# Altium PCB f44.PcbDoc
Units mm, origin at the board's own origin, x right, y up, seen from the top; angles counter-clockwise.
Board outline 53.85 x 64.64 mm, 2 copper layers (Top Layer, Bottom Layer); 94 components, 78 nets, 346 pads, 168 vias.
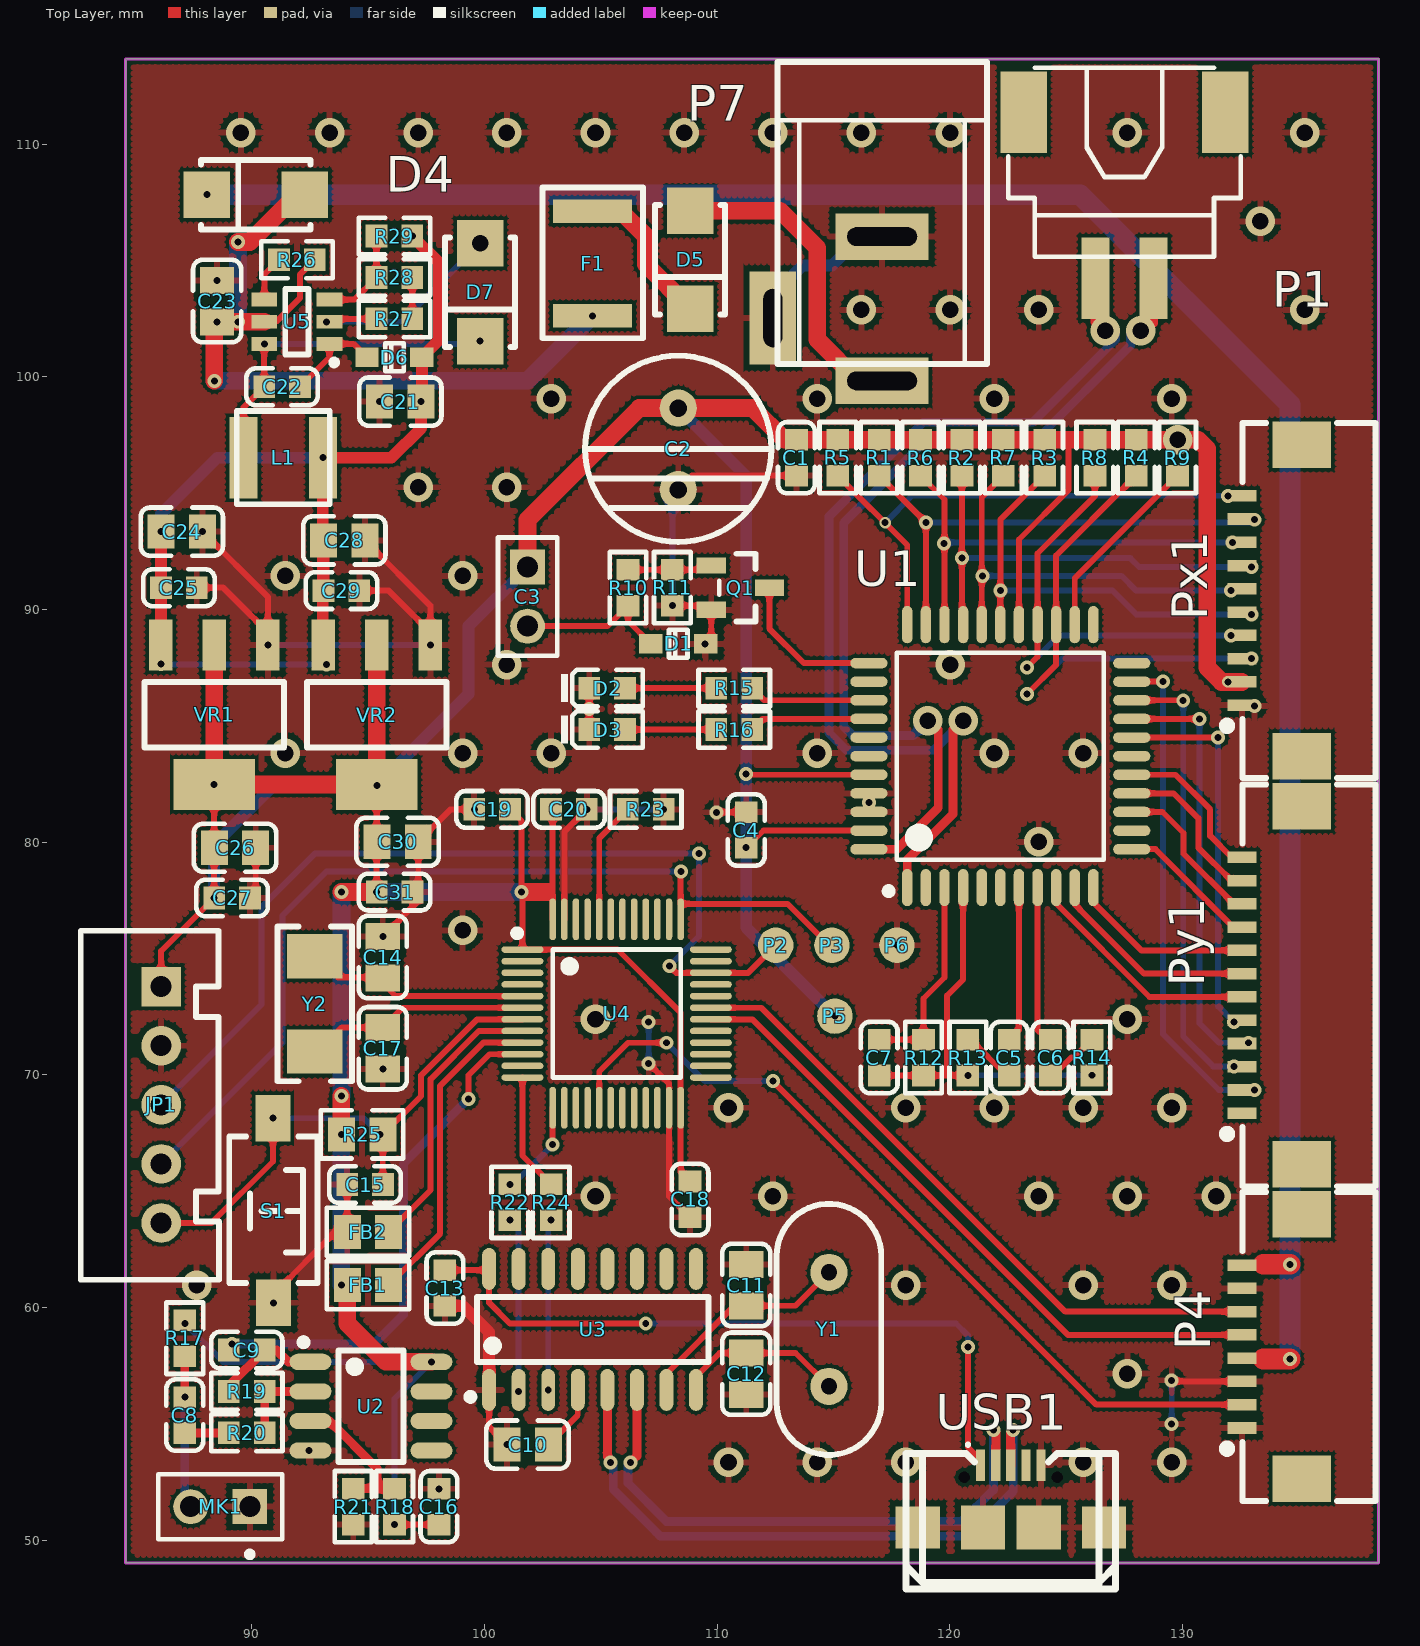
[diagram p0: Top Layer view]
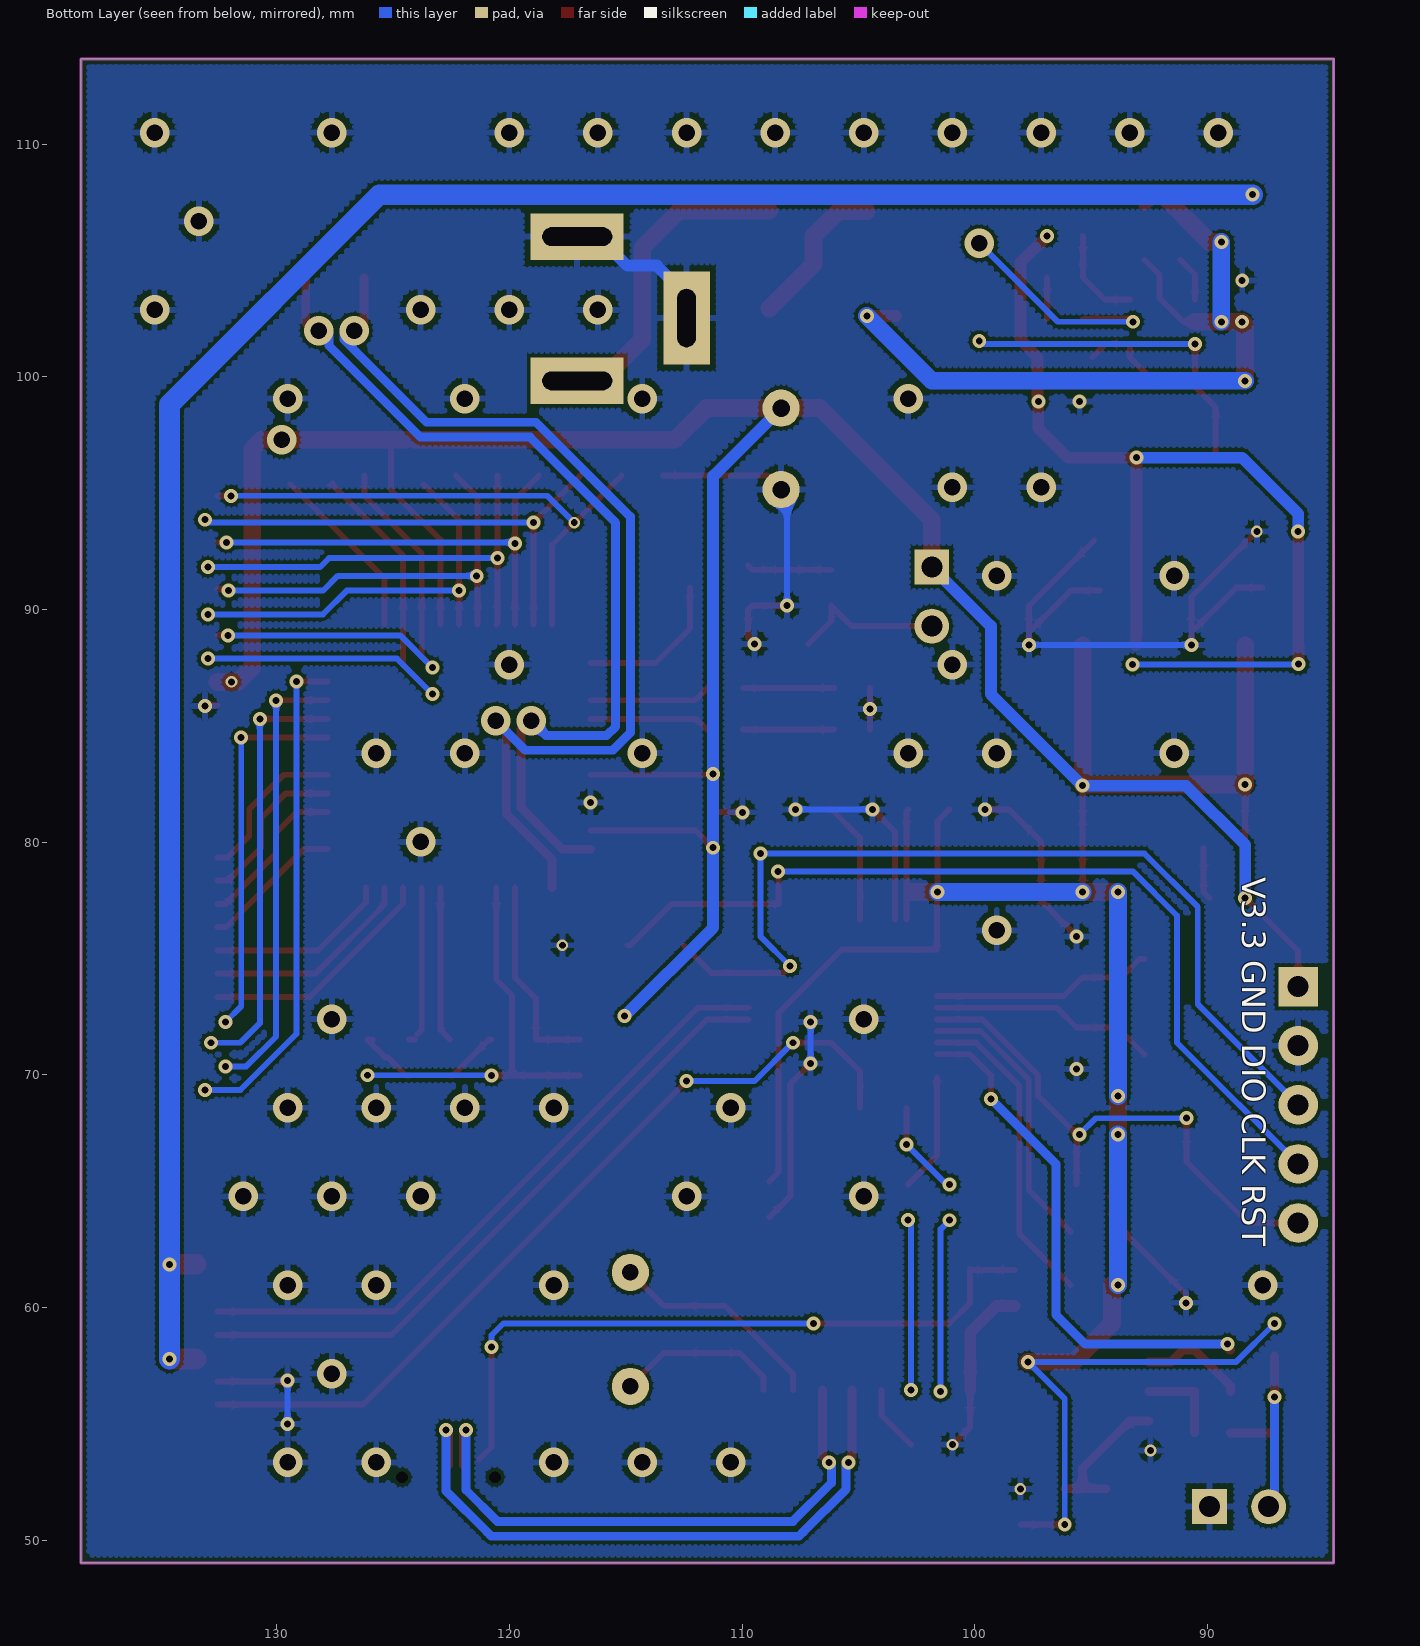
[diagram p1: Bottom Layer view, seen from below]
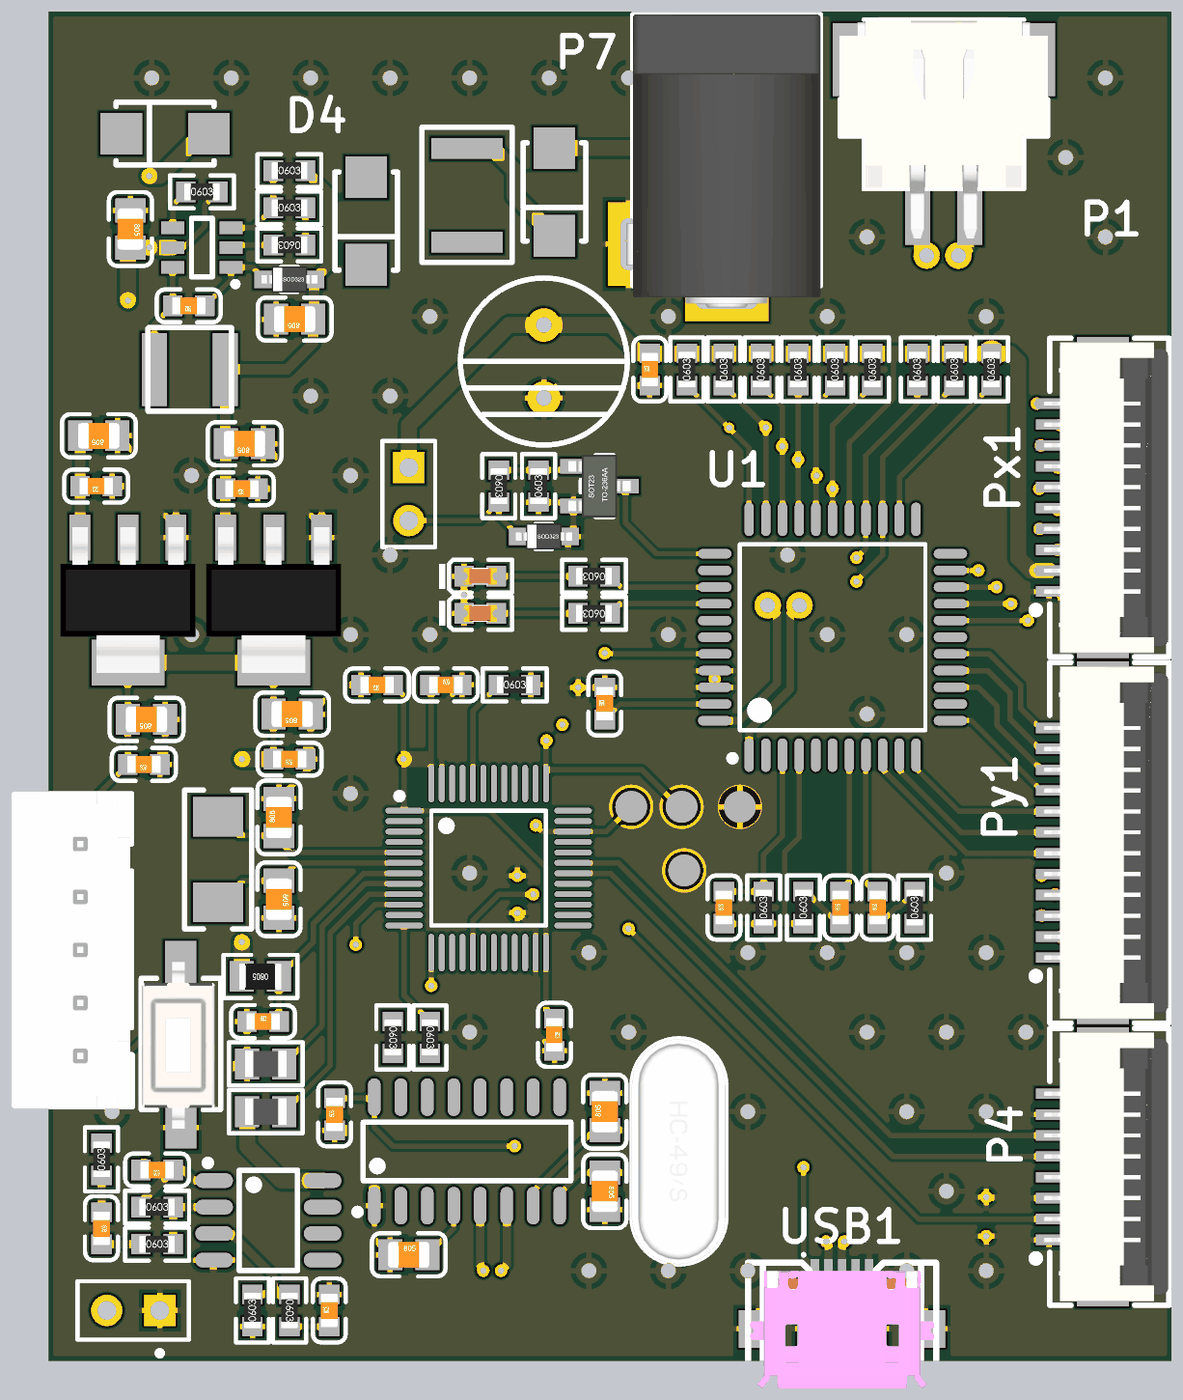
[diagram p2: 3D render of the assembled board from above, using the file's embedded part models]

## Layer stack, top to bottom
Top Solder: solder mask 0.0102, Solder Resist, Dk 3.5
Top Layer: signal copper 0.0356
Dielectric 1: dielectric 0.32, FR-4, Dk 4.8
Bottom Layer: signal copper 0.0356
Bottom Solder: solder mask 0.0102, Solder Resist, Dk 3.5

## Board outline
84.582,49.022 84.582,113.665 138.43,113.665 138.43,49.022

## Design rules (kind name [scope] priority, off if disabled: settings)
Clearance [All] p1: gap=0.152
DiffPairsRouting [All] p1: maxlimit=0.254 minlimit=0.254 mostfreqgap=0.254 toplayer_minwidth=0.381 toplayer_maxwidth=0.381 toplayer_prefwidth=0.381 bottomlayer_minwidth=0.381 bottomlayer_maxwidth=0.381 bottomlayer_prefwidth=0.381 maxuncoupledlength=12.7
PolygonConnect [All] p1: connectstyle=Relief reliefconductorwidth=0.254 reliefentries=4 polygonreliefangle="90 Angle" airgapwidth=0.254
RoutingVias [All] p1: holewidth=0.711 width=1.27 viastyle="Through Hole" minholewidth=0.3 minwidth=0.6 maxholewidth=0.711 maxwidth=1.27
SolderMaskExpansion [All] p1: expansion=0.102
Width [All] p1: maxlimit=1.27 minlimit=0.152 preferedwidth=0.254
29 further rules are at their usual default settings.

## Classes and differential pairs
component class F44: C1 C2 C3 C4 C5 C6 C7 D1 D2 D3 P1 Px1 Py1 Q1 R1 R2 R3 R4 R5 R6 R7 R8 R9 R10 R11 R12 R13 R14 R15 R16 U1
component class fft: C10 C11 C12 C13 C14 C15 C16 C17 C18 C19 C20 D4 FB1 FB2 JP1 P2 P3 P4 P5 P6 R22 R23 R24 R25 S1 U3 U4 USB1 Y1 Y2
component class power: C21 C22 C23 C24 C25 C26 C27 C28 C29 C30 C31 D5 D6 D7 F1 L1 P7 R26 R27 R28 R29 U5 VR1 VR2
component class voice: C8 C9 MK1 R17 R18 R19 R20 R21 U2
differential pair AMP: +AMP_P -AMP_N

## Components (designator, comment, footprint, x,y, rotation, side; value= is the part's Value field where it differs from the comment)
C1 "100nF (104) 10% 50V" 0603_C 113.411,96.52 r90 top
C2 "220uF" 8X12_CAP 108.331,96.901 r270 top
C3 "10uF" HDR1X2 101.854,91.821 r270 top
C4 "100nF (104) 10% 50V" 0603_C 111.252,80.518 r90 top
C5 "100nF (104) 10% 50V" 0603_C 122.555,70.739 r90 top
C6 "100nF (104) 10% 50V" 0603_C 124.333,70.739 r90 top
C7 "470pF (471) 10% 50V" 0603_C 116.967,70.739 r90 top
C8 "100nF (104) 10% 50V" 0603_C 87.122,55.372 r270 top
C9 "4.7uF (475) 10% 16V" 0603_C 89.789,58.166 r180 top
C10 "100pF (101) 5% 50V" 0805_C 101.854,54.102 r0 top
C11 "22pF (220) 5% 50V" 0805_C 111.252,60.96 r90 top
C12 "22pF (220) 5% 50V" 0805_C 111.252,57.15 r270 top
C13 "100nF (104) 10% 50V" 0603_C 98.298,60.833 r90 top
C14 "22pF (220) 5% 50V" 0805_C 95.631,75.057 r90 top
C15 "100nF (104) 10% 50V" 0603_C 94.869,65.278 r0 top
C16 "100nF (104) 10% 50V" 0603_C 98.044,51.435 r90 top
C17 "22pF (220) 5% 50V" 0805_C 95.631,71.138 r270 top
C18 "100nF (104) 10% 50V" 0603_C 108.839,64.643 r270 top
C19 "100nF (104) 10% 50V" 0603_C 100.33,81.407 r180 top
C20 "100nF (104) 10% 50V" 0603_C 103.632,81.407 r0 top
C21 "22uF (226) 20% 25V" 0805_C 96.385,98.933 r180 top
C22 "22nF (223) 10% 50V" 0603_C 91.305,99.568 r180 top
C23 "10uF (106) 10% 25V" 0805_C 88.511,103.251 r270 top
C24 "10uF (106) 10% 25V" 0805_C 86.995,93.345 r180 top
C25 "100nF (104) 10% 50V" 0603_C 86.868,90.932 r180 top
C26 "10uF (106) 10% 25V" 0805_C 89.281,79.756 r180 top
C27 "100nF (104) 10% 50V" 0603_C 89.154,77.597 r180 top
C28 "10uF (106) 10% 25V" 0805_C 93.98,92.964 r180 top
C29 "100nF (104) 10% 50V" 0603_C 93.853,90.805 r180 top
C30 "10uF (106) 10% 25V" 0805_C 96.266,80.01 r180 top
C31 "100nF (104) 10% 50V" 0603_C 96.139,77.851 r180 top
D1 "1N4148WS T4" SOD-323 108.331,88.519 r0 top
D2 "绿灯 0603" 0603_LED_S1 105.275,86.614 r0 top
D3 "蓝灯 0603" 0603_LED_S1 105.275,84.836 r0 top
D4 "M7" SMA(DO-214AC)_S1 90.17,107.823 r0 top
D5 "SS54" SMA(DO-214AC)_S1 108.839,105.029 r90 top
D6 "1N4148WS T4" SOD-323 96.131,100.838 r0 top
D7 "SS210" SMA(DO-214AC)_S1 99.814,103.632 r90 top
F1 "SMD1812P260_FUSE" SMD1812P260 104.648,107.116 r270 top
FB1 "100Ω ±25% 100MHz" 0805_L 94.996,60.96 r0 top
FB2 "100Ω ±25% 100MHz" 0805_L 94.996,63.246 r0 top
JP1 "HDR-1X5" XH2.54-LI-5P 86.106,68.707 r270 top
L1 "4.7uH ±10%" L_4030 89.354,94.52 r0 top
MK1 "Mic2" PIN2 89.916,51.435 r180 top
P1 "Header 2" XH2.54-WS-2P 127.508,109.22 r180 top
P2 "TP" TP 112.522,75.565 r0 top
P3 "TP" TP 114.935,75.565 r0 top
P4 "Header 8" FPC1.0-2H-WS-8P 135.128,58.318 r90 top
P5 "TP" TP 115.062,72.517 r0 top
P6 "TP" TP 117.729,75.565 r0 top
P7 "Header 3" DC-005 117.094,106.022 r90 top
Px1 "Header 10" FPC1.0-2H-WS-10P 135.128,90.383 r90 top
Py1 "Header 12" FPC1.0-2H-WS-12P 135.128,73.844 r90 top
Q1 "SS8050 Y1" SOT-23(SOT-23-3) 110.998,90.932 r180 top
R1 "47KΩ (4702) ±1%" 0603_R 116.967,96.52 r90 top
R2 "47KΩ (4702) ±1%" 0603_R 120.523,96.52 r90 top
R3 "47KΩ (4702) ±1%" 0603_R 124.079,96.52 r90 top
R4 "47KΩ (4702) ±1%" 0603_R 128.016,96.52 r90 top
R5 "47KΩ (4702) ±1%" 0603_R 115.189,96.52 r90 top
R6 "47KΩ (4702) ±1%" 0603_R 118.745,96.52 r90 top
R7 "47KΩ (4702) ±1%" 0603_R 122.301,96.52 r90 top
R8 "47KΩ (4702) ±1%" 0603_R 126.238,96.52 r90 top
R9 "270KΩ (2703) ±1%" 0603_R 129.794,96.52 r90 top
R10 "10KΩ (1002) ±1%" 0603_R 106.172,90.932 r270 top
R11 "100KΩ (1003) ±1%" 0603_R 108.077,90.932 r90 top
R12 "47KΩ (4702) ±1%" 0603_R 118.872,70.739 r90 top
R13 "10KΩ (1002) ±1%" 0603_R 120.777,70.739 r90 top
R14 "10KΩ (1002) ±1%" 0603_R 126.111,70.739 r90 top
R15 "220Ω (2200) ±1%" 0603_R 110.736,86.614 r180 top
R16 "220Ω (2200) ±1%" 0603_R 110.736,84.836 r180 top
R17 "10KΩ (1002) ±1%" 0603_R 87.122,58.674 r90 top
R18 "10KΩ (1002) ±1%" 0603_R 96.139,51.435 r270 top
R19 "49.9KΩ (4992) ±1%" 0603_R 89.789,56.388 r0 top
R20 "1KΩ (1001) ±1%" 0603_R 89.789,54.61 r0 top
R21 "10KΩ (1002) ±1%" 0603_R 94.361,51.435 r90 top
R22 "100Ω (1000) ±1%" 0603_R 101.092,64.516 r270 top
R23 "10KΩ (1002) ±1%" 0603_R 106.934,81.407 r0 top
R24 "100Ω (1000) ±1%" 0603_R 102.87,64.516 r270 top
R25 "10KΩ (1002) ±1%" 0805_R 94.742,67.437 r180 top
R26 "100KΩ (1003) ±1%" 0603_R 91.94,105.029 r0 top
R27 "2KΩ (2001) ±1%" 0603_R 96.131,102.489 r180 top
R28 "7.5KΩ (7501) ±1%" 0603_R 96.131,104.267 r0 top
R29 "49.9KΩ (4992) ±1%" 0603_R 96.131,106.045 r0 top
S1 "SW-SPST" "TSW SMD-3*6*2.5" 90.932,64.135 r270 top
U1 "F44_Piano" LQFP-44_10x10x08P 122.174,83.693 r0 top
U2 "LM358DR2G" SOIC-8_150mil 95.123,55.753 r270 top
U3 "CH340G" SOIC-16_150mil 104.648,59.055 r0 top
U4 "STM32F030C8T6" LQFP-48_7x7x05P 105.684,72.63 r270 top
U5 "MP2359DJ-LF-Z" SOT-23-6 91.94,102.362 r0 top
USB1 "MicroUSB" MicroUSB 121.325,53.221 r270 top
VR1 "AMS1117-3.3" SOT-223 88.392,85.471 r90 top
VR2 "AMS1117-3.3" SOT-223 95.377,85.471 r90 top
Y1 "12MHz" Y 114.808,59.055 r270 top
Y2 "8MHz" SMD-5032_2P 92.71,73.043 r270 top

## Footprints (in the part's own frame and the unit in brackets; to place one, negate y for a bottom-side part, rotate by r counter-clockwise, add the part's x,y. Pads: shape width x height; smd on the part's side, far side on the other; paste and mask are expansions set on the pad)
8X12_CAP [mm]
  round 1.6 hole 0.75: 1(-1.75,0) 2(1.75,0)
  silkscreen extent -4,-4 4,4
0603_C [mm]
  rect 0.93x0.98 smd: 1(-0.77,0) 2(0.77,0)
  silkscreen extent -1.53,-0.79 1.54,0.79, body extent -0.8,-0.4 0.8,0.4, height 0.3
0603_LED_S1 [mm]
  rect 0.93x0.98 smd: A(0.77,0) K(-0.77,0)
  silkscreen extent -1.97,-0.79 1.54,0.79, body extent -0.8,-0.4 0.8,0.4, height 0.6
0603_R [mm]
  rect 0.93x0.98 smd: 1(-0.77,0) 2(0.77,0)
  silkscreen extent -1.53,-0.79 1.54,0.79, body extent -0.85,-0.4 0.85,0.4, height 0.56
0805_C [mm]
  rect 1.16x1.47 smd: 1(-0.89,0) 2(0.89,0)
  silkscreen extent -1.77,-1.04 1.77,1.04, body extent -1,-0.62 1,0.63, height 0.77
0805_L [mm]
  rect 1.16x1.47 smd: 1(-0.89,0) 2(0.89,0)
  silkscreen extent -1.77,-1.04 1.77,1.03, body extent -1.02,-0.64 1.03,0.64, height 0.6
0805_R [mm]
  rect 1.16x1.47 smd: 1(-0.89,0) 2(0.89,0)
  silkscreen extent -1.77,-1.04 1.77,1.03, body extent -1,-0.62 1,0.63, height 0.49
DC-005 [mm] "5.5*2.1mm，DC30V,2.5A"
  rect 2x4 hole 0.8 slot 3 at 90 deg: 1(-6.2,0) 2(0,0)
  rect 4x2 hole 0.8 slot 2.5 at 0 deg: 3(-3.5,4.7)
  silkscreen extent -5.48,-4.5 7.5,4.5, body extent -6.55,-4.5 7.5,4.8, height 11.2
FPC1.0-2H-WS-8P [mm] "翻盖FPC，脚距1mm，不含脚（长12.9mm，宽5.2mm，高1.96mm）"
  rect 2x2.5 smd: 0(-5.69,0) 0(5.69,0)
  rect 0.5x1.25 smd: 1(-3.5,2.575) 2(-2.5,2.575) 3(-1.5,2.575) 4(-0.5,2.575) 5(0.5,2.575) 6(1.5,2.575) 7(2.5,2.575) 8(3.5,2.575)
  silkscreen extent -6.64,-3.18 6.64,3.31, body extent -6.45,-3.15 6.45,2.85, height 2
FPC1.0-2H-WS-10P [mm] "翻盖FPC，脚距1mm，不含脚（长14.9mm，宽5.2mm，高1.96mm）"
  rect 2x2.5 smd: 0(-6.69,0) 0(6.69,0)
  rect 0.5x1.25 smd: 1(-4.5,2.575) 2(-3.5,2.575) 3(-2.5,2.575) 4(-1.5,2.575) 5(-0.5,2.575) 6(0.5,2.575) 7(1.5,2.575) 8(2.5,2.575) 9(3.5,2.575) 10(4.5,2.575)
  silkscreen extent -7.64,-3.18 7.64,3.31, body extent -7.45,-3.15 7.45,2.85, height 2
FPC1.0-2H-WS-12P [mm] "翻盖FPC，脚距1mm，不含脚（长16.9mm，宽5.2mm，高1.96mm）"
  rect 2x2.5 smd: 0(-7.69,0) 0(7.69,0)
  rect 0.5x1.25 smd: 1(-5.5,2.575) 2(-4.5,2.575) 3(-3.5,2.575) 4(-2.5,2.575) 5(-1.5,2.575) 6(-0.5,2.575) 7(0.5,2.575) 8(1.5,2.575) 9(2.5,2.575) 10(3.5,2.575) 11(4.5,2.575) 12(5.5,2.575)
  silkscreen extent -8.64,-3.18 8.64,3.31, body extent -8.45,-3.15 8.45,2.85, height 2
HDR1X2 [mm] "Connector; Header; 2 Position"
  rect 1.5x1.5 hole 0.9: 1(0,0)
  round 1.5 hole 0.9: 2(2.54,0)
  silkscreen extent -1.27,-1.27 3.81,1.27
L_4030 [mm]
  rect 1.2x3.5 smd: 1(0.3,2) 2(3.7,2)
  silkscreen extent 0,0 4,4
LQFP-44_10x10x08P [mm]
  oval 0.45x1.6 smd: 1(-4,-5.65) 2(-3.2,-5.65) 3(-2.4,-5.65) 4(-1.6,-5.65) 5(-0.8,-5.65) 6(0,-5.65) 7(0.8,-5.65) 8(1.6,-5.65) 9(2.4,-5.65) 10(3.2,-5.65) 11(4,-5.65) 23(4,5.65) 24(3.2,5.65) 25(2.4,5.65) 26(1.6,5.65) 27(0.8,5.65) 28(0,5.65) 29(-0.8,5.65) 30(-1.6,5.65) 31(-2.4,5.65) 32(-3.2,5.65) 33(-4,5.65)
  oval 1.6x0.45 smd: 12(5.65,-4) 13(5.65,-3.2) 14(5.65,-2.4) 15(5.65,-1.6) 16(5.65,-0.8) 17(5.65,0) 18(5.65,0.8) 19(5.65,1.6) 20(5.65,2.4) 21(5.65,3.2) 22(5.65,4) 34(-5.65,4) 35(-5.65,3.2) 36(-5.65,2.4) 37(-5.65,1.6) 38(-5.65,0.8) 39(-5.65,0) 40(-5.65,-0.8) 41(-5.65,-1.6) 42(-5.65,-2.4) 43(-5.65,-3.2) 44(-5.65,-4)
  silkscreen extent -4.95,-5.95 4.45,4.45
LQFP-48_7x7x05P [mm]
  oval 0.28x1.8 smd mask+0.051: 1(-2.75,-4.05) 2(-2.25,-4.05) 3(-1.75,-4.05) 4(-1.25,-4.05) 5(-0.75,-4.05) 6(-0.25,-4.05) 7(0.25,-4.05) 8(0.75,-4.05) 9(1.25,-4.05) 10(1.75,-4.05) 11(2.25,-4.05) 12(2.75,-4.05) 25(2.75,4.05) 26(2.25,4.05) 27(1.75,4.05) 28(1.25,4.05) 29(0.75,4.05) 30(0.25,4.05) 31(-0.25,4.05) 32(-0.75,4.05) 33(-1.25,4.05) 34(-1.75,4.05) 35(-2.25,4.05) 36(-2.75,4.05)
  oval 1.8x0.28 smd mask+0.051: 13(4.05,-2.75) 14(4.05,-2.25) 15(4.05,-1.75) 16(4.05,-1.25) 17(4.05,-0.75) 18(4.05,-0.25) 19(4.05,0.25) 20(4.05,0.75) 21(4.05,1.25) 22(4.05,1.75) 23(4.05,2.25) 24(4.05,2.75) 37(-4.05,2.75) 38(-4.05,2.25) 39(-4.05,1.75) 40(-4.05,1.25) 41(-4.05,0.75) 42(-4.05,0.25) 43(-4.05,-0.25) 44(-4.05,-0.75) 45(-4.05,-1.25) 46(-4.05,-1.75) 47(-4.05,-2.25) 48(-4.05,-2.75)
  silkscreen extent -3.6,-4.42 2.75,2.75
MicroUSB [mm] "Connector; USB1.1, Type B, SM; 4 Position; Right Angle"
  rect 1.8x1.9 smd: 0(2.675,5.3) 0(2.675,-2.7)
  rect 1.9x1.9 smd: 0(2.675,2.5) 0(2.675,0.1)
  rect 1.35x0.4 smd mask+0.001: 1(0,0) 2(0,0.65) 3(0,1.3) 4(0,1.95) 5(0,2.6)
  round 0 hole 0.5 unplated mask+0.001: MH1(0.525,3.3) MH2(0.525,-0.7)
  silkscreen extent -0.89,-3.21 5.33,5.81, body extent -0.11,-3.09 5.52,5.71, height 2.79
PIN2 [mm] "Photosensitive Diode; 2 Leads"
  rect 1.5x1.5 hole 0.9: 1(0,0)
  round 1.5 hole 0.9: 2(2.54,0)
  silkscreen extent -1.4,-1.4 3.94,2.17
SMA(DO-214AC)_S1 [mm]
  rect 2x2 smd: 1(2.1,0) 2(-2.1,0)
  silkscreen extent -2.35,-1.5 2.35,1.5
SMD1812P260 [mm]
  rect 1x3.41 smd: 1(0,0) 2(4.5,0)
  silkscreen extent -1.02,-2.16 5.46,2.16
SMD-5032_2P [mm]
  rect 1.9x2.4 smd: 1(-2.05,0) 2(2.05,0)
  silkscreen extent -3.32,-1.6 3.32,1.6
SOD-323 [mm]
  rect 1x0.83 smd: 1(1.18,0) 2(-1.18,0)
  silkscreen extent -0.4,-0.6 0.4,0.6, body extent -1.35,-0.62 1.35,0.63, height 1.1
SOIC-8_150mil [mm]
  oval 0.7x1.8 smd: 1(-1.905,-2.6) 2(-0.635,-2.6) 3(0.635,-2.6) 4(1.905,-2.6) 5(1.905,2.6) 6(0.635,2.6) 7(-0.635,2.6) 8(-1.905,2.6)
  silkscreen extent -2.9,-3.05 2.4,1.4
SOIC-16_150mil [mm]
  oval 0.6x1.8 smd: 1(-4.445,-2.6) 2(-3.175,-2.6) 3(-1.905,-2.6) 4(-0.635,-2.6) 5(0.635,-2.6) 6(1.905,-2.6) 7(3.175,-2.6) 8(4.445,-2.6) 9(4.445,2.6) 10(3.175,2.6) 11(1.905,2.6) 12(0.635,2.6) 13(-0.635,2.6) 14(-1.905,2.6) 15(-3.175,2.6) 16(-4.445,2.6)
  silkscreen extent -5.4,-3.05 4.97,1.4
SOT-23(SOT-23-3) [mm]
  rect 1.25x0.7 smd: 1(1.25,-0.95) 2(1.25,0.95) 3(-1.25,0)
  silkscreen extent -0.65,-1.46 0.9,1.46, body extent -1.5,-1.5 1.5,1.5, height 1.3
SOT-23-6 [mm]
  rect 1.1x0.6 smd: 1(1.4,-0.95) 2(1.4,0) 3(1.4,0.95) 4(-1.4,0.95) 5(-1.4,0) 6(-1.4,-0.95)
  silkscreen extent -0.5,-1.87 1.73,1.4
SOT-223 [mm]
  rect 2.2x1 smd: 1(3,-2.3) 2(3,0) 3(3,2.3)
  rect 2.2x3.5 smd: 2(-3,0)
  silkscreen extent -1.4,-3 1.4,3, body extent -3.49,-3.24 3.49,3.24, height 1.64
TP [mil]
  round 60 smd mask+11.81: 1(0,0)
"TSW SMD-3*6*2.5" [mm] "3*6*2.5mm"
  rect 2x1.5 smd: 1(-3.996,-0.02) 2(3.937,0)
  silkscreen extent -3.21,-1.9 3.09,1.9, body extent -4,-1.88 4,1.62, height 2.59
XH2.54-LI-5P [mm] "接插件，5P"
  rect 1.7x1.7 hole 0.9: 1(-5.08,0)
  round 1.7 hole 0.9: 2(-2.54,0) 3(0,0) 4(2.54,0) 5(5.08,0)
  silkscreen extent -7.48,-3.45 7.52,2.49, body extent -7.58,-3.3 7.58,2.4, height 7.03
XH2.54-WS-2P [mm] "长：10mm，宽：8mm，高：6.1mm"
  rect 2x3.5 smd: 0(-4.327,-2.15) 0(4.327,-2.15)
  rect 1.2x3.5 smd: 1(-1.25,4.981) 2(1.25,4.981)
  silkscreen extent -5,-4.06 5,4.06, body extent -5,-4 5,6.42, height 6.05
Y [mm]
  round 1.6 hole 0.7: 1(-2.45,0) 2(2.45,0)
  silkscreen extent -5.39,-2.25 5.39,2.25, body extent -5.39,-2.27 5.41,2.23, height 3.6

## Part data
C1 C4 C5 C6 C8 C13 C15 C16 C18 C19 C20 C25 C27 C29 C31: library part "0603 100nF (104) 10% 50V", "贴片电容"
C2 C3: library part CAP
C7: library part "0603 470pF (471) 10% 50V", "贴片电容"
C9: library part "0603 4.7uF (475) 10% 16V", "贴片电容"
C10: library part "0805 100pF (101) 5% 50V", "贴片电容"
C11 C12 C14 C17: library part "0805 22pF (220) 5% 50V", "贴片电容"
C21: library part "0805 22uF (226) 20% 25V", "贴片电容"
C22: library part "0603 22nF (223) 10% 50V", "贴片电容"
C23 C24 C26 C28 C30: library part "0805 10uF (106) 10% 25V", "贴片电容"
D1 D6: library part "SOD-323 1N4148WS T4", "二极管"
D2: library part "0603 绿灯", "发光二极管"
D3: library part "0603 蓝灯", "发光二极管"
D4: library part "SMA(DO-214AC) M7", "二极管"
D5: library part "SMA(DO-214AC) SS54", "二极管"
D7: library part "SMA(DO-214AC) SS210", "二极管"
FB1 FB2: library part "0805 100Ω 25% 100MHz", "贴片磁珠"
JP1: library part "Header 5", "5P接插件"
L1: library part "0603 4.7uH 10%", "贴片电感"
MK1: "Microphone"
P1: "Header, 2-Pin"
P4: "Header, 8-Pin"
P7: "Header, 3-Pin"
Px1: "Header, 10-Pin"
Py1: "Header, 12-Pin"
Q1: library part "SOT-23 SS8050 Y1", "三极管"
R1 R2 R3 R4 R5 R6 R7 R8 R12: library part "0603 47KΩ (4702) 1%", "贴片电阻"
R9: library part "0603 270KΩ (2703) 1%", "贴片电阻"
R10 R13 R14 R17 R18 R21 R23: library part "0603 10KΩ (1002) 1%", "贴片电阻"
R11 R26: library part "0603 100KΩ (1003) 1%", "贴片电阻"
R15 R16: library part "0603 220Ω (2200) 1%", "贴片电阻"
R19 R29: library part "0603 49.9KΩ (4992) 1%", "贴片电阻"
R20: library part "0603 1KΩ (1001) 1%", "贴片电阻"
R22 R24: library part "0603 100Ω (1000) 1%", "贴片电阻"
R25: library part "0805 10KΩ (1002) 1%", "贴片电阻"
R27: library part "0603 2KΩ (2001) 1%", "贴片电阻"
R28: library part "0603 7.5KΩ (7501) 1%", "贴片电阻"
S1: "Single-Pole, Single-Throw Switch"
U2: library part LM358DR2G_[C7950], "通用运放"
U3: library part CH340G_[C14267], "USB"
U4: "ARM"
U5: library part MP2359DJ-LF-Z_[C14259], "DC-DCоƬ"
VR1 VR2: library part "SOT-223 AMS1117-3.3", "低压差线性稳压(LDO)"
Y1 Y2: library part "SMD-5032_2P 8MHz 20ppm 20pF", "贴片晶振"

## Via types
v1: diameter 0.6, hole 0.3, Top Layer to Bottom Layer, 99 vias
v2: diameter 1.27, hole 0.711, Top Layer to Bottom Layer, tented both sides, 56 vias
v3: diameter 0.5, hole 0.3, Top Layer to Bottom Layer, 7 vias
v4: diameter 1.27, hole 0.711, Top Layer to Bottom Layer, 6 vias

## Nets (pads, with @x,y where several pads share a name; then routed paths per layer and width w, separated by ;. In a path a pad name is that pad's centre, name@x,y a point inside that pad or via, vN(x,y) a via of type N, cw(c..) or ccw(c..) an arc to the next point about the centre after c; other vN are vias at no path point)
AMP_N: P1.2 U1.1 | length 42.8
  Top Layer w0.381: U1.1 118.174,79.244 120.142,81.212 120.142,84.836 120.523,85.217 v4(120.587,85.217) ; P1.2 126.258,102.299 126.365,102.299 v4(126.682,101.981)
  Bottom Layer w0.381: v4(120.587,85.217) 120.587,85.214 119.319,83.947 115.561,83.947 114.808,84.7 114.808,93.989 118.863,98.044 123.571,98.044 127.127,101.6 127.127,101.854 127,101.981 v4(126.682,101.981)
AMP_P: P1.1 U1.44 | length 39.6
  Top Layer w0.381: U1.44 117.725,79.693 119.507,81.475 119.507,84.836 119.126,85.217 v4(119.062,85.217) ; v4(128.207,101.981) 128.524,102.299 128.758,102.299 P1.1
  Bottom Layer w0.381: v4(119.062,85.217) 118.427,84.582 115.824,84.582 115.443,84.963 115.443,93.726 119.126,97.409 123.834,97.409 127.762,101.337 127.762,101.854 127.889,101.981 v4(128.207,101.981)
AOUT: C7.2 R12.2 U1.3 | length 8.8
  Top Layer w0.254: C7.2 R12.2 118.872,73.279 119.774,74.181 U1.3
D_N: U3.6 USB1.2 | length 25.3
  Top Layer w0.381: v1(106.281,53.34) 106.553,53.612 U3.6 ; v1(121.873,54.737) 121.983,54.628 121.983,54.094 121.975,54.087 USB1.2
  Bottom Layer w0.381: v1(106.281,53.34) 106.172,53.231 106.172,52.451 107.823,50.8 120.523,50.8 121.873,52.15 v1(121.873,54.737)
D_P: U3.5 USB1.3 | length 27.1
  Top Layer w0.381: v1@105.283,53.578 U3.5 ; USB1.3 122.625,54.087 122.618,54.094 122.618,54.628 v1(122.727,54.737)
  Bottom Layer w0.381: v1(105.428,53.34) 105.537,53.231 105.537,52.188 107.374,50.351 107.56,50.165 120.786,50.165 120.972,50.351 122.727,52.106 v1(122.727,54.737)
DATA_IN: P4.2 U4.17 | length 36.1
  Top Layer w0.254: U4.17 104.934,70.136 106.172,71.374 v1(107.823,71.374) ; v1(112.395,69.723) 126.3,55.818 P4.2
  Bottom Layer w0.254: v1(107.823,71.374) 109.474,69.723 v1(112.395,69.723)
DEBUG_RX: R22.1 U4.13 | length 4.1
  Top Layer w0.254: v1(102.934,66.992) U4.13
  Bottom Layer w0.254: v1(101.092,65.286) 101.228,65.286 v1(102.934,66.992)
DEBUG_TX: R24.1 U4.12 | length 5.1
  Top Layer w0.254: U4.12 101.634,66.522 R24.1
GND: C1.1 C2.2 C4.2 C10.1 C11.2 C12.2 C13.1 C14.2 C15.1 C16.2 C17.2 C18.2 C19.2 C20.2 C21.2 C23.1 C24.1 C25.1 C26.1 C27.1 C28.1 C29.1 C30.1 C31.1 D1.1 D2.K D3.K FB2.1 JP1.2 MK1.1 P4.1 P4.3 P4.7 P6.1 P7.2 P7.3 Px1.1 Q1.2 R11.1 R21.1 R23.2 S1.2 U1.41 U1.42 U2.4 U3.1 U4.23 U4.47 USB1.0 USB1.5 VR1.1 VR2.1 | length 96.9
  Top Layer w0.254: C25.1 88.773,90.932 VR1.1@90.692,89.013 ; v3(87.884,93.345) 90.692,90.538 VR1.1@90.692,89.013 ; C27.1 90.171,77.844 C26.1 ; v1(90.692,88.471) VR1.1@90.692,89.013 ; v1(90.932,60.198) 90.932,60.579 93.599,63.246 FB2.1 94.099,63.253 C15.1 ; C29.1 95.885,90.805 VR2.1@97.677,89.013 ; C28.1 97.677,90.157 VR2.1@97.677,89.013 ; v1(95.631,75.946) 97.156,77.472 C30.1 98.553,81.407 C19.2 v1(99.568,81.407) ; VR2.1@97.677,88.742 VR2.1@97.677,89.013 ; U3.1 100.203,54.863 v3(100.965,54.102) ; U4.47 103.434,80.439 v1(104.402,81.407) ; D3.K v1(104.505,85.725) D2.K ; v1(107.061,70.485) 107.934,69.612 U4.23 107.934,64.778 C18.2 ; v1(108.077,90.162) 109.568,90.162 Q1.2 109.748,88.793 v1(109.474,88.519) ; C2.2 108.93,95.75 C1.1 ; v1(109.982,81.28) 109.99,81.288 C4.2 ; v1(129.54,56.867) 129.491,56.818 P4.3 ; Px1.1 133.065,85.883 v1(133.096,85.852)
  Top Layer w0.508: C13.1 99.068,60.063 100.203,58.928 U3.1
  Bottom Layer w0.254: v1(90.692,88.471) v1(97.677,88.471) ; v1(104.402,81.407) v1(107.704,81.407) ; v1(107.061,70.485) v1(107.061,72.263) ; v1(108.077,90.162) 108.077,94.897 C2.2 ; v1(129.54,54.991) v1(129.54,56.867)
  Bottom Layer w0.508: P7.3 112.394,103.504 113.665,104.775 114.935,104.775 116.182,106.022 P7.2
  other v1: 95.631,70.249 116.524,81.693 95.496,98.933 88.511,104.141
  other v2: 110.49,53.34 114.3,53.34 118.11,53.34 125.73,53.34 129.54,53.34 127.635,57.15 87.63,60.96 118.11,60.96 125.73,60.96 129.54,60.96 104.775,64.77 112.395,64.77 123.825,64.77 127.635,64.77 131.445,64.77 110.49,68.58 118.11,68.58 121.92,68.58 125.73,68.58 129.54,68.58 104.775,72.39 127.635,72.39 99.06,76.2 123.825,80.01 91.44,83.82 99.06,83.82 102.87,83.82 114.3,83.82 121.92,83.82 125.73,83.82 100.965,87.63 120.015,87.63 91.44,91.44 99.06,91.44 97.155,95.25 100.965,95.25 102.87,99.06 114.3,99.06 121.92,99.06 129.54,99.06 116.205,102.87 120.015,102.87 123.825,102.87 135.255,102.87 133.35,106.68 89.535,110.49 93.345,110.49 97.155,110.49 100.965,110.49 104.775,110.49 108.585,110.49 112.395,110.49 116.205,110.49 120.015,110.49 127.635,110.49 135.255,110.49
  other v3: 98.044,52.197 92.456,53.848 117.729,75.565
GNDA: FB2.2 U4.8 | length 12.1
  Top Layer w0.254: FB2.2 97.688,65.048 97.688,69.809 99.76,71.88 U4.8
NetC3_2: C3.2 D1.2 R10.2 | length 6.7
  Top Layer w0.254: C3.2 105.291,89.281 R10.2 106.172,89.498 D1.2
NetC5_1: C5.1 R13.2 | length 2.4
  Top Layer w0.254: R13.2 120.896,71.509 122.436,69.969 C5.1
NetC5_2: C5.2 U1.7 | length 6.7
  Top Layer w0.254: C5.2 122.974,71.928 U1.7
NetC6_1: C6.1 R14.2 | length 2.7
  Top Layer w0.254: C6.1 124.452,69.969 125.23,70.747 125.349,70.747 R14.2 R14.2@125.873,71.509
NetC6_2: C6.2 U1.8 | length 6.6
  Top Layer w0.254: U1.8 123.774,71.933 C6.2@123.952,71.755 ; C6.2@124.071,71.509 C6.2
NetC7_1: C7.1 R12.1 R13.1 R14.1 U1.4 | length 17.5
  Top Layer w0.254: C7.1 R12.1 119.888,69.969 ; U1.4 120.574,74.092 119.888,73.406 119.888,69.969 ; v1(120.777,69.969) 119.888,69.969
  Bottom Layer w0.254: v1(120.777,69.969) 120.785,69.977 v1(126.111,69.977)
NetC8_1: C8.1 MK1.2 R17.1 | length 6.6
  Top Layer w0.381: v1(87.122,56.142) R17.1
  Bottom Layer w0.381: v1(87.122,56.142) 87.122,51.689 MK1.2
NetC8_2: C8.2 R20.1 | length 1.9
  Top Layer w0.381: C8.2 89.011,54.602 R20.1
NetC9_1: C9.1 R19.1 U2.1 | length 4.6
  Top Layer w0.381: R19.1 89.019,56.626 C9.1 91.059,58.166 91.567,57.658 U2.1
NetC10_2: C10.2 U3.4 | length 2.9
  Top Layer w0.254: C10.2 104.013,55.371 U3.4
NetC11_1: C11.1 U3.7 Y1.1 | length 9.5
  Top Layer w0.254: U3.7 107.823,57.15 110.743,60.07 C11.1 113.373,60.07 Y1.1
NetC12_1: C12.1 U3.8 Y1.2 | length 7.3
  Top Layer w0.254: U3.8 109.093,57.023 110.11,58.04 C12.1 113.373,58.04 Y1.2
NetC22_1: C22.1 D6.2 U5.1 | length 4.2
  Top Layer w0.254: C22.1 93.34,100.833 U5.1 94.377,101.412 D6.2
NetC22_2: C22.2 D7.2 L1.1 U5.6 | length 14.6
  Top Layer w0.254: L1.1 89.654,98.687 C22.2 90.535,101.407 v1(90.54,101.412)
  Bottom Layer w0.254: v1(90.54,101.412) 99.694,101.412 v1(99.814,101.532)
NetD2_A: D2.A R15.2 | length 3.9
  Top Layer w0.254: D2.A R15.2
NetD3_A: D3.A R16.2 | length 3.9
  Top Layer w0.254: D3.A R16.2
NetD4_2: D4.2 P4.4 P4.8 | length 93.6
  Top Layer w0.889: 133.477,57.785 v1(134.62,57.785) ; 133.477,61.849 v1(134.62,61.849)
  Bottom Layer w0.889: v1(88.07,107.823) 125.603,107.823 134.62,98.806 v1(134.62,61.849) v1(134.62,57.785)
NetD5_1: D5.1 P7.1 | length 13.6
  Top Layer w0.762: D5.1 112.708,107.129 114.3,105.537 114.3,101.6 116.111,99.789 P7.1@117.095,99.789
NetD5_2: D5.2 F1.1 | length 6.6
  Top Layer w0.762: F1.1 105.863,107.116 106.934,106.045 106.934,104.834 D5.2
NetQ1_1: Q1.1 R10.1 R11.2 | length 3.7
  Top Layer w0.254: R10.1 109.568,91.702 Q1.1
NetQ1_3: Q1.3 U1.34 | length 6.6
  Top Layer w0.254: Q1.3 112.248,89.174 113.729,87.693 U1.34
NetR9_1: R9.1 U1.24 | length 7.7
  Top Layer w0.254: U1.24 125.374,91.338 R9.1@129.413,95.377
NetR18_1: R18.1 R21.2 U2.3 | length 6.4
  Top Layer w0.381: U2.3 93.345,55.118 95.377,53.086 95.377,52.205 ; R21.2 95.377,52.205 ; R18.1 95.377,52.205
NetR19_2: R19.2 R20.2 U2.2 | length 3.7
  Top Layer w0.381: R20.2 R19.2 U2.2
NetR22_2: R22.2 U3.2 | length 7.5
  Bottom Layer w0.254: v1(101.092,63.746) 101.473,63.365 v1(101.473,56.388)
NetR23_1: R23.1 U4.44 | length 5.2
  Top Layer w0.254: U4.44 104.934,80.169 106.164,81.399 R23.1
NetR24_2: R24.2 U3.3 | length 7.4
  Bottom Layer w0.254: v1(102.743,56.455) 102.743,63.627 v1(102.87,63.754)
NetR26_1: R26.1 U5.4 | length 2
  Top Layer w0.254: U5.4 90.54,104.391 91.17,105.021 R26.1
NetR27_1: R27.1 R28.2 | length 1.8
  Top Layer w0.254: R27.1 R28.2
NetR28_1: R28.1 R29.1 U5.3 | length 4.2
  Top Layer w0.254: U5.3 94.406,103.312 R28.1 R29.1
NRST: C15.2 JP1.5 R25.1 S1.1 U4.7 | length 23.4
  Top Layer w0.254: JP1.5 88.265,63.627 90.912,66.274 v1(90.912,68.131) ; C15.2 95.632,65.285 R25.1 97.282,69.087 97.282,69.977 99.685,72.38 U4.7
  Bottom Layer w0.254: v1(90.912,68.131) 94.81,68.131 v1(95.504,67.437)
OSC_IN: C14.1 U4.5 Y2.1 | length 9.6
  Top Layer w0.254: Y2.1@92.71,74.966 92.928,74.966 93.708,74.186 95.376,74.186 96.182,73.38 U4.5
OSC_OUT: C17.1 U4.6 Y2.2 | length 9.8
  Top Layer w0.254: Y2.2@92.71,70.866 93.872,72.028 C17.1 96.483,72.88 U4.6
P00: Px1.10 R5.1 U1.33 | length 23.5
  Top Layer w0.254: R5.1 118.174,92.765 U1.33 ; v1(131.967,94.883) Px1.10
  Bottom Layer w0.254: v3(117.221,93.726) 118.378,94.883 v1(131.967,94.883)
P01: Px1.9 R1.1 U1.32 | length 21.4
  Top Layer w0.254: R1.1 v1(118.974,93.743) U1.32
  Bottom Layer w0.254: v1(118.974,93.743) 132.986,93.743 v1(133.096,93.853)
P02: Px1.8 R6.1 U1.31 | length 19.6
  Top Layer w0.254: R6.1 119.774,94.721 U1.31 ; v1(132.161,92.883) Px1.8
  Bottom Layer w0.254: v1(119.761,92.837) 119.807,92.883 v1(132.161,92.883)
P03: Px1.7 R2.1 U1.30 | length 19
  Top Layer w0.254: R2.1 v1(120.523,92.202) 120.523,89.394 U1.30
  Bottom Layer w0.254: v1(120.523,92.202) 127.762,92.202 128.143,91.821 v1(132.969,91.821)
P04: Px1.6 R7.1 U1.29 | length 18.2
  Top Layer w0.254: U1.29 121.374,94.823 R7.1 ; v1(132.08,90.805) 132.158,90.883 Px1.6
  Bottom Layer w0.254: v1(121.412,91.44) 127.381,91.44 128.016,90.805 v1(132.08,90.805)
P05: Px1.5 R3.1 U1.28 | length 18.1
  Top Layer w0.254: U1.28 v1(122.174,90.805) 122.174,93.853 R3.1@123.698,95.377 ; v1(132.969,89.789) Px1.5@133.096,89.916
  Bottom Layer w0.254: v1(122.174,90.805) 127,90.805 128.016,89.789 v1(132.969,89.789)
P06: Px1.4 R8.1 U1.26 | length 19.3
  Top Layer w0.254: v1(123.317,87.503) 123.774,87.96 U1.26 123.774,92.405 126.238,94.869 R8.1 ; v1(132.097,88.883) Px1.4
  Bottom Layer w0.254: v1(123.317,87.503) 124.697,88.883 v1(132.097,88.883)
P07: Px1.3 R4.1 U1.25 | length 21.1
  Top Layer w0.254: v1(123.317,86.36) 124.574,87.617 U1.25 124.574,92.316 R4.1@127.635,95.377
  Bottom Layer w0.254: v1(123.317,86.36) 124.841,87.884 v1(132.969,87.884)
P10: U1.17
P11: Py1.12 U1.16 | length 6.9
  Top Layer w0.254: U1.16 129.705,82.893 131.191,81.407 131.191,80.264 132.111,79.344 Py1.12
P12: Py1.11 U1.15 | length 7
  Top Layer w0.254: U1.15 129.616,82.093 130.683,81.026 130.683,79.756 132.095,78.344 Py1.11
P13: Py1.10 U1.14 | length 6.9
  Top Layer w0.254: U1.14 129.146,81.293 130.048,80.391 130.048,79.496 132.2,77.344 Py1.10
P14: Py1.9 U1.12 | length 6.1
  Top Layer w0.254: U1.12 128.841,79.693 132.19,76.344 Py1.9
P15: Py1.8 U1.11 | length 7.9
  Top Layer w0.254: U1.11 126.174,77.407 128.237,75.344 Py1.8
P16: Py1.7 U1.10 | length 9.1
  Top Layer w0.254: U1.10 125.374,77.318 128.348,74.344 Py1.7
P17: Py1.6 U1.9 | length 10.3
  Top Layer w0.254: U1.9 124.574,77.356 128.586,73.344 Py1.6
P20: U1.39
P21: U1.38
P22: R16.1 U1.37 | length 5.2
  Top Layer w0.254: R16.1 111.963,85.293 U1.37
P23: R15.1 U1.36 | length 5.2
  Top Layer w0.254: R15.1 112.027,86.093 U1.36
P24: Py1.2 U1.21 | length 21.4
  Top Layer w0.254: U1.21 v1(129.159,86.893)
  Bottom Layer w0.254: v1(129.159,86.893) 129.159,71.755 131.572,69.342 v1(133.096,69.342)
P25: Py1.3 U1.20 | length 19.4
  Top Layer w0.254: U1.20 v1(130.035,86.093)
  Bottom Layer w0.254: v1(130.035,86.093) 130.035,71.641 131.318,70.358 v1(132.207,70.358)
P26: Py1.4 U1.19 | length 18.6
  Top Layer w0.254: U1.19 v1(130.734,85.293) ; v1(132.842,71.374) Py1.4@132.969,71.247
  Bottom Layer w0.254: v1(130.734,85.293) 130.734,72.212 131.572,71.374 v1(132.842,71.374)
P27: Py1.5 U1.18 | length 16.2
  Top Layer w0.254: U1.18 v1(131.534,84.493)
  Bottom Layer w0.254: v1(131.534,84.493) 131.534,72.936 v1(132.207,72.263)
SGND: D7.1 R27.2 U5.2 | length 9.9
  Top Layer w0.254: U5.2@93.467,102.489 R27.2
  Bottom Layer w0.254: v1(93.21,102.362) 96.444,102.362 v4(99.814,105.732)
SWD_CLK: JP1.4 P3.1 U4.37 | length 39.4
  Top Layer w0.254: v1(108.458,78.74) 108.434,78.716 108.434,77.343 113.03,77.343 114.808,75.565 P3.1
  Bottom Layer w0.254: JP1.4 91.313,71.374 91.313,76.835 93.218,78.74 v1(108.458,78.74)
SWD_DIO: JP1.3 P2.1 U4.34 | length 40.6
  Top Layer w0.254: v1(107.95,74.676) 108.246,74.38 U4.34 111.337,74.38 P2.1
  Bottom Layer w0.254: JP1.3 90.424,73.025 90.424,77.216 92.71,79.502 v1(109.22,79.502) 109.22,75.946 v1(107.95,74.676)
UART1_RXD: P4.6 U4.31 | length 28.2
  Top Layer w0.254: U4.31 111.905,72.88 124.967,59.818 P4.6
UART1_TXD: P4.5 U4.30 | length 28.4
  Top Layer w0.254: U4.30 111.516,72.38 125.078,58.818 P4.5
V3.3: C1.2 C2.1 C3.1 C4.1 C16.1 C18.1 C19.1 C20.1 C26.2 C27.2 C30.2 C31.2 FB1.1 JP1.1 P5.1 Px1.2 R1.2 R2.2 R3.2 R4.2 R5.2 R6.2 R7.2 R8.2 R9.2 R17.2 R18.2 R25.2 U1.27 U1.40 U1.43 U2.8 U4.1 U4.24 U4.48 VR1.2 VR2.2 | length 226.9
  Top Layer w0.254: JP1.1 86.106,75.319 v1(88.384,77.597) v1(88.384,82.471) VR1.2@88.392,82.471 ; v1(87.122,59.309) R17.2 ; VR1.2@88.384,88.463 VR1.2@88.392,88.471 ; v1(93.853,69.088) v1(93.853,69.088) ; VR2.2@95.337,82.471 v1(95.377,82.431) VR2.2@95.377,82.471 ; v1(95.369,77.851) VR2.2@95.369,82.431 ; VR2.2@95.369,88.463 VR2.2@95.377,88.471 ; v1(96.139,50.665) C16.1 ; C19.1 101.6,80.907 v1(101.6,77.851) ; v1@101.634,77.851 U4.1 105.722,75.38 108.434,72.668 U4.24 108.434,65.818 C18.1 ; C20.1 102.934,81.335 U4.48 ; C4.1 111.997,80.493 U1.43 ; v1(111.252,82.931) 111.29,82.893 U1.40 ; U1.27 122.974,93.002 125.095,95.123 125.095,97.29
  Top Layer w0.762: v1(88.384,82.471) VR1.2@88.384,88.463 ; VR1.2@88.392,82.471 VR2.2@95.337,82.471 ; v1(93.852,67.437) v1(93.853,69.088) ; v1(93.853,77.851) v1(95.369,77.851) ; FB1.1 94.106,59.31 95.758,57.658 v1(97.723,57.658) ; VR2.2@95.369,82.471 VR2.2@95.369,88.463 ; C3.1 101.854,93.853 106.652,98.651 C2.1 111.534,98.651 112.895,97.29 R5.2 R1.2 R6.2 R2.2 R7.2 R3.2 ; R3.2@124.46,97.29 125.095,97.29 R8.2 R4.2 R9.2 130.675,97.29 131.064,96.901 131.064,87.503 131.684,86.883 v3(131.953,86.883) Px1.2
  Bottom Layer w0.254: v1(87.122,59.309) 88.773,57.658 v1(97.723,57.658) 96.139,56.074 v1(96.139,50.665) ; v1(93.853,60.96) v1(93.853,60.96)
  Bottom Layer w0.508: v1(88.384,77.597) 88.384,79.875 90.932,82.423 95.377,82.423 99.314,86.36 99.314,89.281 C3.1 ; C2.1 111.252,95.73 v1(111.252,82.931) v1(111.252,79.756) 111.252,76.327 v1(115.062,72.517)
  Bottom Layer w0.762: v1(93.853,60.96) v1(93.852,67.437) ; v1(93.853,69.088) v1(93.853,77.851) ; v1(95.369,77.851) v1(101.6,77.851)
  other v4: 129.794,97.282
V5.0: C13.2 U3.16 USB1.1 | length 30.1
  Top Layer w0.254: C13.2 100.151,61.603 U3.16 100.203,60.198 101.092,59.309 v1(106.934,59.309) ; v1(120.777,58.293) 120.777,54.002 USB1.1@121.312,53.467
  Bottom Layer w0.254: v1(106.934,59.309) 120.269,59.309 120.777,58.801 v1(120.777,58.293)
VBUS: C23.2 D4.1 F1.2 R26.2 U5.5 | length 34.9
  Top Layer w0.254: v1(88.512,102.362) v1(88.512,102.362) ; U5.5 91.051,102.362 92.067,103.378 92.067,104.386 R26.2
  Top Layer w0.508: C23.2@88.392,102.242 v1(88.512,102.362) ; D4.1 D4.1@92.71,107.383 ; F1.2@103.378,102.616 v1(104.648,102.616)
  Top Layer w0.762: v1(88.392,99.822) C23.2@88.392,102.242 ; v1(88.512,102.362) U5.5 ; v1(89.408,105.791) 89.916,105.791 91.948,107.823 D4.1
  Bottom Layer w0.762: v1(88.392,99.822) 101.854,99.822 v1(104.648,102.616) ; v1(89.408,102.362) v1(89.408,105.791)
VDD_5.0: C21.1 C24.2 C25.2 C28.2 C29.2 D6.1 L1.2 R29.2 VR1.3 VR2.3 | length 45.6
  Top Layer w0.508: v1(86.092,87.644) VR1.3 86.105,88.484 v1(86.106,93.345) ; VR2.3 93.09,88.484 93.09,88.9 93.054,88.936 v1(93.054,96.52) 96.004,96.52 97.275,97.791 v1(97.274,98.933) 97.311,98.969 D6.1 98.036,101.563 98.036,104.91 v1(96.901,106.045) ; C29.2@93.09,90.805 C28.2
  Bottom Layer w0.254: v1(86.092,87.644) 86.106,87.63 v1(93.218,87.63)
  Bottom Layer w0.508: v1(86.106,93.345) 86.106,94.107 88.519,96.52 v1(93.054,96.52)
VDDA: FB1.2 U4.9 | length 13.8
  Top Layer w0.254: FB1.2 98.095,63.169 98.095,69.52 99.955,71.38 U4.9
VOICE: C9.2 U4.10 | length 22.3
  Top Layer w0.254: v1(99.314,68.961) 99.314,69.977 100.217,70.88 U4.10
  Top Layer w0.381: C9.2 89.154,58.301 v1(89.154,58.42)
  Bottom Layer w0.381: v1(89.154,58.42) 95.25,58.42 96.52,59.69 96.52,66.167 v1(99.314,68.961)
pads on no net: P1.0 P4.0 Px1.0 Py1.0 Py1.1 U1.2 U1.5 U1.6 U1.13 U1.22 U1.23 U1.35 U2.5 U2.6 U2.7 U3.9 U3.10 U3.11 U3.12 U3.13 U3.14 U3.15 U4.2 U4.3 U4.4 U4.11 U4.14 U4.15 U4.16 U4.18 U4.19 U4.20 U4.21 U4.22 U4.25 U4.26 U4.27 U4.28 U4.29 U4.32 U4.33 U4.35 U4.36 U4.38 U4.39 U4.40 U4.41 U4.42 U4.43 U4.45 U4.46 USB1.4 USB1.MH1 USB1.MH2

## Polygon pours and split planes (outlines as drawn)
GND on Bottom Layer "GND_L02_P004" (hatched 90Degree grid 0 track 0.254, remove dead copper, pour order 4): 138.43,49.022 138.43,113.665 84.582,113.665 84.582,49.022
GND on Top Layer "GND_L01_P006" (hatched 90Degree grid 0 track 0.254, remove dead copper, pour order 6): 138.43,49.022 138.43,113.665 84.582,113.665 84.582,49.022

## Keep-outs
Keep-Out Layer:
  the board outline again, w0.127

## Other copper
Top Layer:
  rectangle net V3.3: 101.6,77.47 102.934,78.232

## Silkscreen, mask and mechanical layers (free items; w line width, h text height)
Bottom Overlay:
  text "V3.3 GND DIO CLK RST" at 88.519,78.486 h1 r90
Drill Drawing:
  text ".Lengend" at 138.811,49.403 h1